# Altium PCB STM32H743.PcbDoc
Units mil, origin at the board's own origin, x right, y up, seen from the top; angles counter-clockwise.
Board outline 3765 x 2155 mil, 2 copper layers (Top Layer, Bottom Layer); 118 components, 172 nets, 554 pads, 16 vias.
Unrouted connection lines stored in the file: 150.
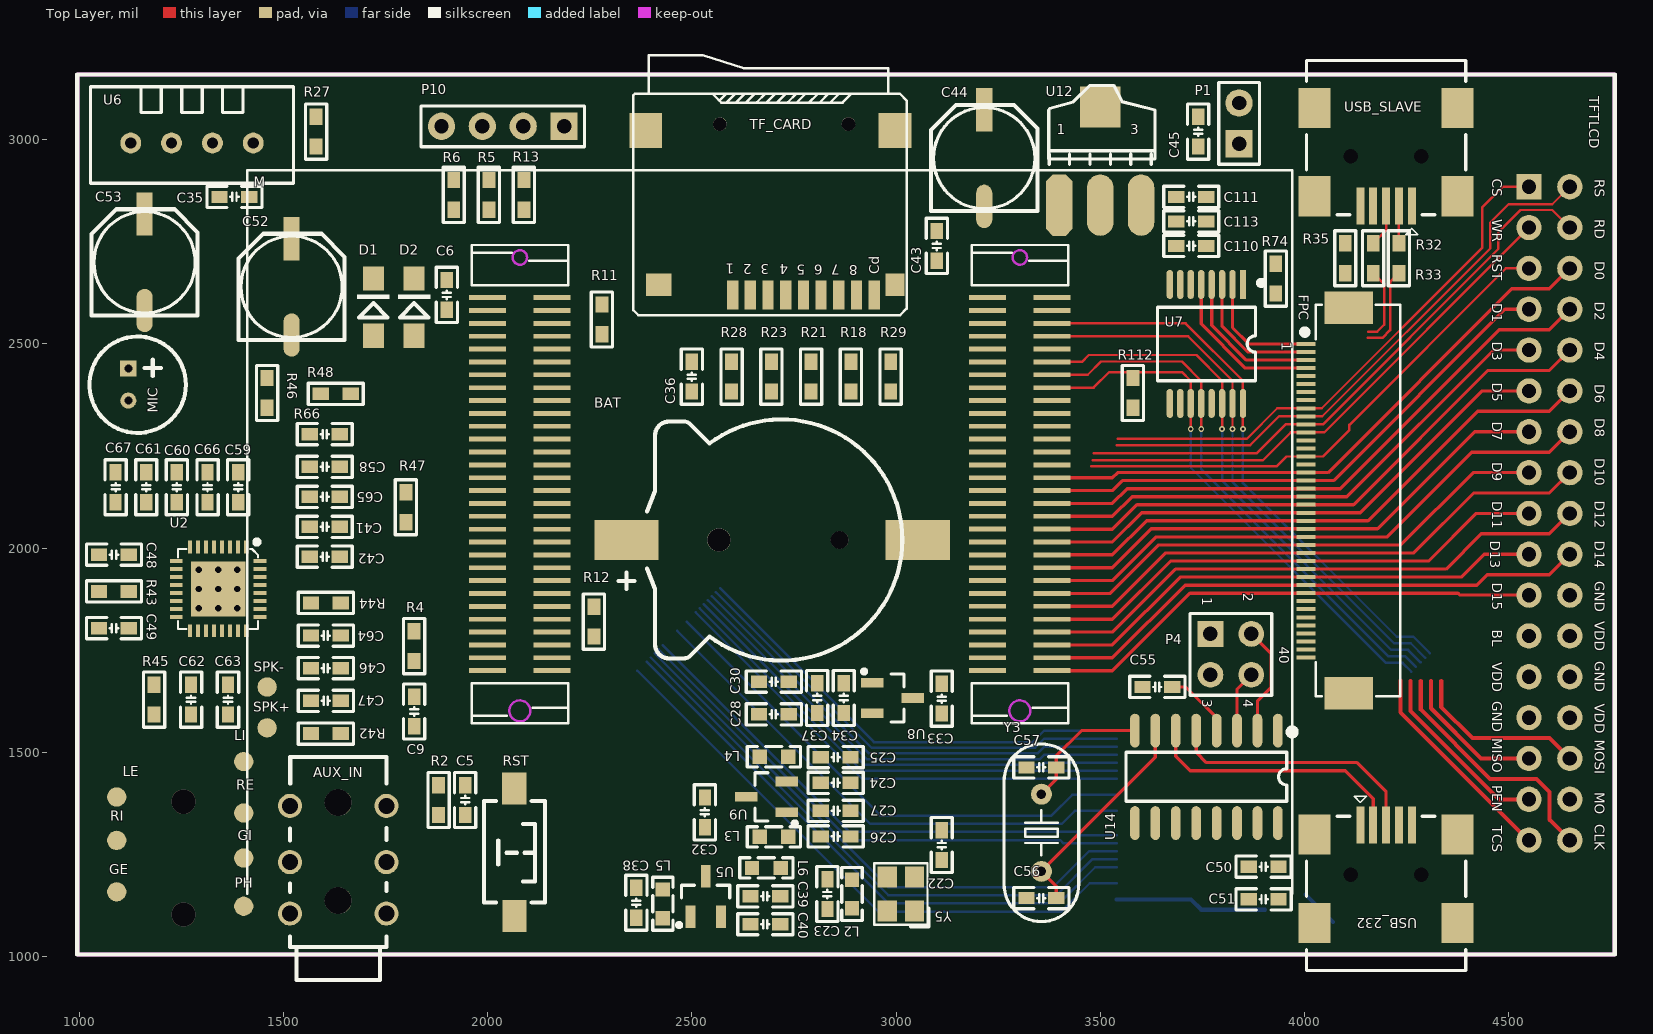
[diagram p0: Top Layer view]
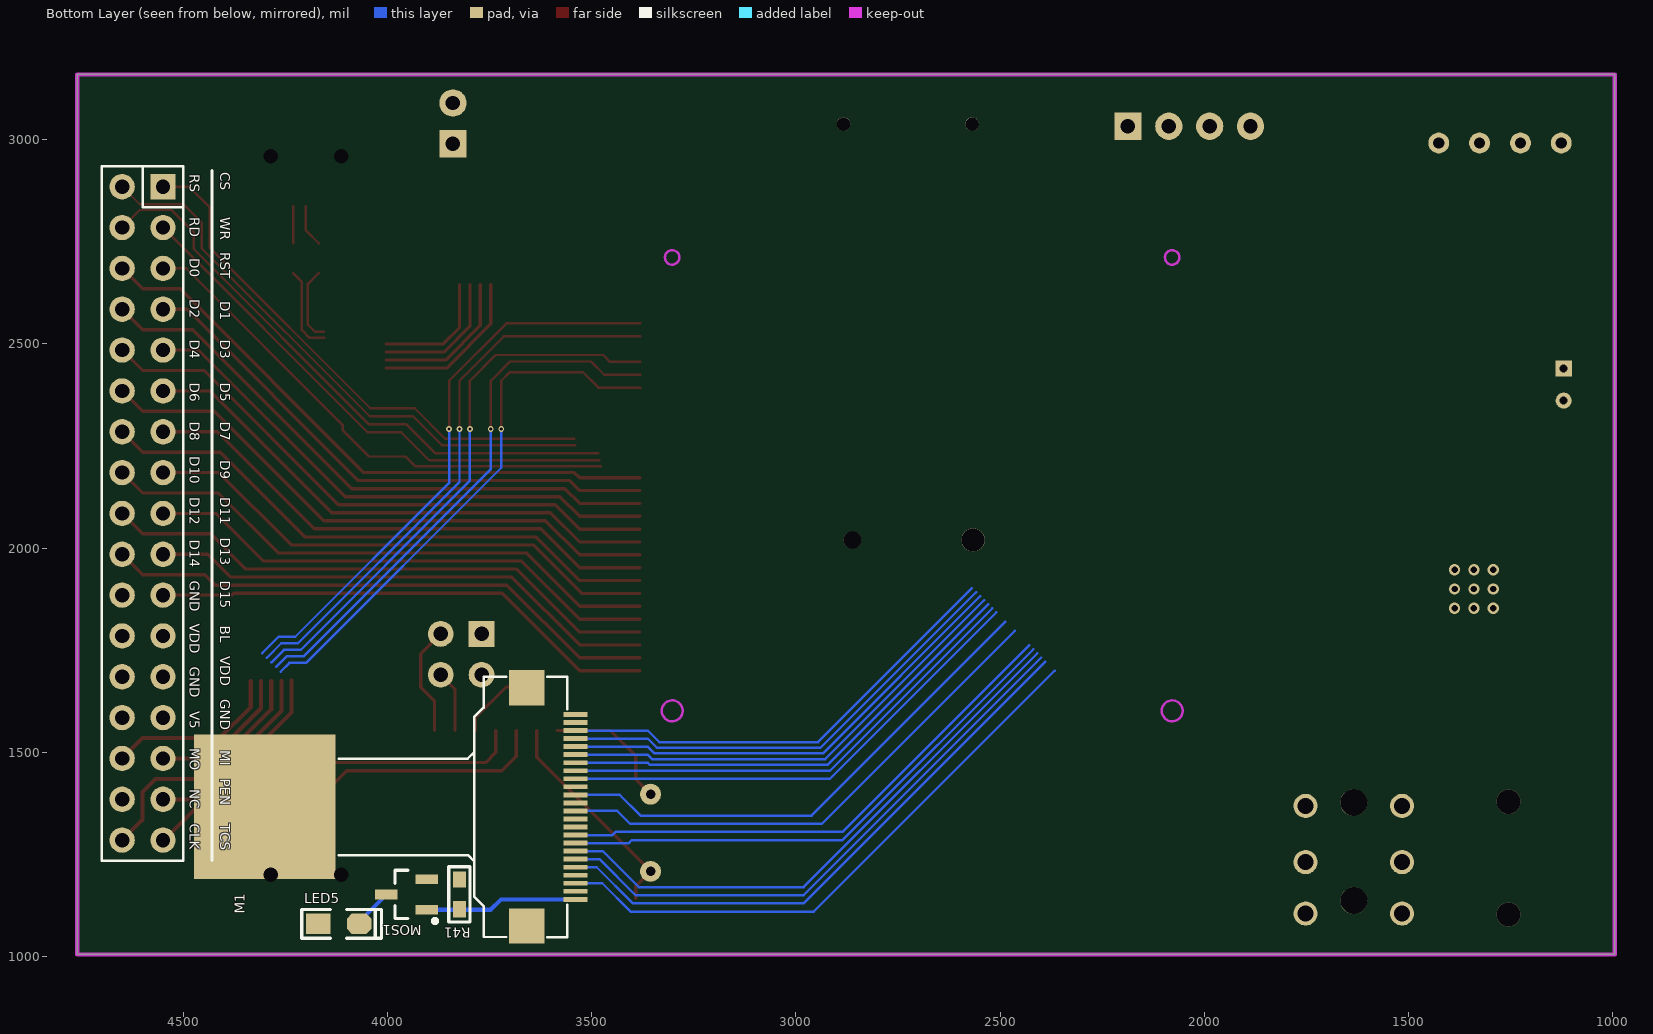
[diagram p1: Bottom Layer view, seen from below]

## Layer stack, top to bottom
Top Layer: signal copper 1.4
Dielectric: dielectric 12.6, FR-4, Dk 4.8
Bottom Layer: signal copper 1.4

## Board outline
995,1005 995,3160 4760,3160 4760,1005

## Design rules (kind name [scope] priority, off if disabled: settings)
Clearance [All] p1: gap=6
ComponentClearance [All] p1 off: gap=10 collisioncheckmode=3 verticalgap=10 showdistances=FALSE
MinimumSolderMaskSliver [All] p1: minsoldermaskwidth=8
PolygonConnect [All] p1: connectstyle=Relief reliefconductorwidth=10 reliefentries=4 polygonreliefangle="90 Angle"
RoutingVias [All] p1: holewidth=8 width=14 viastyle="Through Hole" minholewidth=8 minwidth=14 maxholewidth=280 maxwidth=320
SilkscreenOverComponentPads [All] p1 off: minsilkscreentomaskgap=6
SolderMaskExpansion [All] p1: expansion=4
TestPointUsage FabricationTestPointUsage [All] p1: valid=0 allowmultiple=FALSE
Testpoint FabricationTestpoint [(IsPad And (OnTopLayer Or OnBottomLayer))] p1: side=3 testpointundercomponent=TRUE minsize=40 maxsize=100 preferedsize=60 minholesize=0 maxholesize=40 preferedholesize=32 testpointgrid=1 style=297 order=0123456789
Width [All] p1: maxlimit=50 minlimit=6 preferedwidth=10 toplayer_prefwidth=6 bottomlayer_prefwidth=6 minimp=50.000000 maximp=50.000000 favimp=50.000000
21 further rules are at their usual default settings.

## Components (designator, comment, footprint, x,y, rotation, side; value= is the part's Value field where it differs from the comment)
AUX_IN "AUX" PHONE_ST 1634,1237 r270 top
BAT "BATT" CR1220_A 2720,2020 r180 top
C5 "104" "C 0603_M" 1945,1383.18 r90 top
C6 "104" "C 0603_M" 1900,2620 r270 top
C9 "104" "C 0603_M" 1820,1600 r90 top
C22 "1uF" "C 0603_M" 3112,1273 r90 top
C23 "104" "C 0603_M" 2832,1153 r270 top
C24 "10uF" "C 0603_M" 2852,1425.33 r180 top
C25 "104" "C 0603_M" 2852,1488 r180 top
C26 "10uF" "C 0603_M" 2852,1294 r180 top
C27 "104" "C 0603_M" 2852,1356.67 r180 top
C28 "104" "C 0603_M" 2701,1593 r180 top
C30 "10uF" "C 0603_M" 2701,1673 r180 top
C32 "1uF" "C 0603_M" 2532,1353 r90 top
C33 "1uF" "C 0603_M" 3112,1631.4 r270 top
C34 "10uF" "C 0603_M" 2872,1633 r270 top
C35 "104" "C 0603_M" 1380,2860 r0 top
C36 "104" "C 0603_M" 2500,2420 r270 top
C37 "104" "C 0603_M" 2807,1633 r270 top
C38 "1uF" "C 0603_M" 2364,1131.53 r90 top
C39 "10uF" "C 0603_M" 2680,1147.5 r0 top
C40 "104" "C 0603_M" 2680,1079 r0 top
C41 "104" "C 0603_M" 1601,2052.33 r0 top
C42 "10uF" "C 0603_M" 1601,1979 r0 top
C43 "104" "C 0603_M" 3100,2740 r270 top
C44 "220uF" "CT 6*6 - C" 3216,2955 r90 top
C45 "104" "C 0603_M" 3740,3020 r90 top
C46 "104" "C 0603_M" 1604,1706 r180 top
C47 "10uF" "C 0603_M" 1604,1626 r180 top
C48 "104" "C 0603_M" 1085,1984 r0 top
C49 "10uF" "C 0603_M" 1085,1804 r0 top
C50 "104" "C 0603_M" 3900,1220 r180 top
C51 "10uF" "C 0603_M" 3900,1140 r180 top
C52 "220uF" "CT 6*6 - C" 1520,2640 r90 top
C53 "220uF" "CT 6*6 - C" 1160,2700 r90 top
C55 "104" "C 0603_M" 3640,1660 r0 top
C56 "22" "C 0603_M" 3356,1143 r0 top
C57 "22" "C 0603_M" 3356,1463 r180 top
C58 "1uF" "C 0603_M" 1601,2199 r0 top
C59 "1uF" "C 0603_M" 1389,2149 r90 top
C60 "1uF" "C 0603_M" 1239,2149 r90 top
C61 "1uF" "C 0603_M" 1164,2149 r90 top
C62 "104" "C 0603_M" 1273.59,1629 r270 top
C63 "104" "C 0603_M" 1364.19,1629 r270 top
C64 "10uF" "C 0603_M" 1604,1786 r180 top
C65 "10uF" "C 0603_M" 1601,2125.67 r180 top
C66 "1uF" "C 0603_M" 1314,2149 r90 top
C67 "1uF" "C 0603_M" 1089,2149 r90 top
C110 "10uF" "C 0603_M" 3723,2740 r0 top
C111 "104" "C 0603_M" 3723,2860 r0 top
C113 "104" "C 0603_M" 3723,2800 r0 top
D1 "1N4148" DIODE_SOP 1720,2520 r90 top
D2 "1N4148" DIODE_SOP 1820,2520 r90 top
FPC "RGBLCD" FPC-TOP40 4000,2500 r270 top locked
GE "SPK" TP-1.5#1 1242.5,1197 r0 top
GI "SPK" TP-1.5#2 1402.66,1217 r0 top
L2 "3.3uH" "L 0603" 2892,1153 r90 top
L3 "3.3uH" "L 0603" 2701,1293 r180 top
L4 "3.3uH" "L 0603" 2701,1489 r180 top
L5 "3.3uH" "L 0603" 2429,1129.03 r270 top
L6 "FB-600R" "L 0603" 2682.5,1217 r0 top
LE "SPK" TP-1.5#3 1123.13,1437 r0 top
LED5 "LED" "LED 0805R" 4120,1080 r180 bottom
LI "SPK" TP-1.5#4 1359.35,1477 r0 top
M "STM32F4&F7_CB" STM32F4&F7_CB 2000,1700 r0 top locked
M1 "OV5640" OV5640-24 3540,1140 r90 bottom locked
MIC "MIC" MIC-6022 1120,2440 r270 top
MOS1 "SI2302" SOT23-3M 3904,1152 r90 bottom
P1 "SWITCH" HDR2.54-LI-2P 3840,3040 r90 top
P4 "USART1" HDR2.54-LI-2x2P 3820,1740 r270 top
P10 "Header 4" HDR2.54-LI-4P 2037,3033 r180 top
PH "SPK" TP-1.5#5 1457.31,1097 r0 top
R2 "10K" "R 0603_M" 1880,1383.18 r270 top
R4 "10R" "R 0603_M" 1820,1760 r90 top
R5 "10K" "R 0603_M" 2003,2865 r270 top
R6 "10K" "R 0603_M" 1917,2865 r270 top
R11 "10K" "R 0603_M" 2280,2560 r270 top
R12 "10K" "R 0603_M" 2260,1820 r270 top
R13 "10K" "R 0603_M" 2089,2865 r270 top
R18 "47K" "R 0603_M" 2889.6,2420 r270 top
R21 "47K" "R 0603_M" 2792.2,2420 r270 top
R23 "47K" "R 0603_M" 2694.8,2420 r270 top
R27 "4.7K" "R 0603_M" 1580,3020 r270 top
R28 "47K" "R 0603_M" 2597.4,2420 r270 top
R29 "47K" "R 0603_M" 2987,2420 r270 top
R32 "10R" "R 0603_M" 4168.5,2710 r270 top
R33 "10R" "R 0603_M" 4231.49,2710 r270 top
R35 "1.5K" "R 0603_M" 4100,2710 r270 top
R41 "10K" "R 0603_M" 3824,1152 r270 bottom
R42 "0R" "R 0603_M" 1604,1546 r180 top
R43 "10R" "R 0603_M" 1085,1894 r0 top
R44 "0R" "R 0603_M" 1604,1866 r180 top
R45 "10K" "R 0603_M" 1183,1629 r90 top
R46 "680R" "R 0603_M" 1460,2380 r90 top
R47 "47K" "R 0603_M" 1800,2100 r90 top
R48 "0R" "R 0603_M" 1628,2378 r180 top
R66 "221" "C 0603_M" 1601,2279 r0 top
R74 "10" "R 0603_M" 3930,2660 r90 top
R112 "100K" "R 0603_M" 3580,2380 r270 top
RE "SPK" TP-1.5#6 1402.66,1337 r0 top
RI "SPK" TP-1.5#7 1091.64,1337 r0 top
RST "KEY_M" "TSW SMD-3*6*2.5" 2066,1254 r270 top
SPK+ "SPK" TP-1.5#8 1460,1560 r180 top
SPK- "SPK" TP-1.5#8 1460,1660 r0 top
TF_CARD "SD-MICRO-TF" SD-MICRO-TF 2600,2620 r180 top
TFTLCD "TFT_LCD" DB2*17-3.5 4760,3160 r270 top locked
U2 "WM8978" qfn32 1340,1900 r270 top
U5 "XC6206P152MR" SOT23-3M 2534,1097 r0 top
U6 "DHT11&DS18B20" DHT11 1426,2992 r180 top
U7 "XPT2046" SSOP16_M 3760,2500 r270 top
U8 "XC6206P152MR" SOT23-3M 2942,1633 r270 top
U9 "XC6206P152MR" SOT23-3M 2732,1391 r90 top
U12 "AMS1117-3.3" AMS1117 3400,2840 r0 top
U14 "CH340G" SOP16_M 3760,1440 r270 top locked
USB_232 "USB" USB-MINI-A 4200,1200 r0 top locked
USB_SLAVE "USB" USB-MINI-A 4200,2960 r180 top
Y3 "12MHz" "OSC HC-49S" 3356,1303 r90 top
Y5 "24.000Mhz" "OSC 3225-4P" 3012,1153 r90 top

## Footprints (in the part's own frame and the unit in brackets; to place one, negate y for a bottom-side part, rotate by r counter-clockwise, add the part's x,y. Pads: shape width x height; smd on the part's side, far side on the other; paste and mask are expansions set on the pad)
AMS1117 [mil]
  oct 65x150 smd: 1(0.03,-0.06)
  oval 65x150 smd: 2(100.03,-0.06) 3(200.03,-0.06)
  rect 100x100 smd: 4(100.03,239.94)
  silkscreen extent -26,100 234,293
"C 0603_M" [mil] "无极性贴片电容"
  rect 40x30 smd: 1(-36.5,0) 2(36.5,0)
  silkscreen extent -68,-26 68,26, body extent -31,-16 31,16, height 32
CR1220_A [mm] "纽扣电池座"
  round 1.1 hole 1.1: 0(-3.6,0)
  round 1.45 hole 1.45: 0(3.9,0)
  rect 4x2.5 smd: 1(9.652,0) 2(-8.458,0)
  silkscreen extent -7.5,-7.5 10.16,7.5, body extent -9.42,-7.45 10.34,7.45, height 4.05
"CT 6*6 - C" [mm] "直径6mm，高6mm"
  rect 2.7x1 smd: 1(3,0)
  oval 2.7x1 smd: 2(-3,0)
  silkscreen extent -3.3,-3.3 3.3,3.3, body extent -3.5,-3.15 3.5,3.15, height 6
DB2*17-3.5 [mil]
  rect 62x62 hole 35: 1(275,-210)
  round 62 hole 35: 2(275,-110) 3(375,-210) 4(375,-110) 5(475,-210) 6(475,-110) 7(575,-210) 8(575,-110) 9(675,-210) 10(675,-110) 11(775,-210) 12(775,-110) 13(875,-210) 14(875,-110) 15(975,-210) 16(975,-110) 17(1075,-210) 18(1075,-110) 19(1175,-210) 20(1175,-110) 21(1275,-210) 22(1275,-110) 23(1375,-210) 24(1375,-110) 25(1475,-210) 26(1475,-110) 27(1575,-210) 28(1575,-110) 29(1675,-210) 30(1675,-110) 31(1775,-210) 32(1775,-110) 33(1875,-210) 34(1875,-110)
  silkscreen extent 0,-3765 2155,0
DHT11 [mm]
  round 1.3 hole 0.7: 1(0,0) 2(2.54,0) 3(5.08,0) 4(7.62,0)
  silkscreen extent -2.5,-3.5 10.12,2.5
DIODE_SOP [mm]
  rect 1.5x1.3 smd: 1(0,0) 2(3.556,0)
  silkscreen extent 1.14,-1.02 2.56,1.02
FPC-TOP40 [mm]
  rect 0.25x1.2 smd: 1(0,0.102) 2(0.5,0.102) 3(1,0.102) 4(1.5,0.102) 5(2,0.102) 6(2.5,0.102) 7(3,0.102) 8(3.5,0.102) 9(4,0.102) 10(4.5,0.102) 11(5,0.102) 12(5.5,0.102) 13(6,0.102) 14(6.5,0.102) 15(7,0.102) 16(7.5,0.102) 17(8,0.102) 18(8.5,0.102) 19(9,0.102) 20(9.5,0.102) 21(10,0.102) 22(10.5,0.102) 23(11,0.102) 24(11.5,0.102) 25(12,0.102) 26(12.5,0.102) 27(13,0.102) 28(13.5,0.102) 29(14,0.102) 30(14.5,0.102) 31(15,0.102) 32(15.5,0.102) 33(16,0.102) 34(16.5,0.102) 35(17,0.102) 36(17.5,0.102) 37(18,0.102) 38(18.5,0.102) 39(19,0.102) 40(19.5,0.102)
  rect 2x3 smd: A(-2.25,2.754) B(21.725,2.754)
  silkscreen extent -2.45,-0.15 21.92,5.97
HDR2.54-LI-2P [mm] "排针，2脚"
  rect 1.7x1.7 hole 0.9: 1(-1.27,0)
  round 1.7 hole 0.9: 2(1.27,0)
  silkscreen extent -2.54,-1.27 2.54,1.27, body extent -2.54,-1.27 2.54,1.27, height 8.5
HDR2.54-LI-2x2P [mm] "双排排针，2x2脚"
  rect 1.6x1.6 hole 0.9: 1(-1.27,-1.27)
  round 1.6 hole 0.9: 2(-1.27,1.27) 3(1.27,-1.27) 4(1.27,1.27)
  silkscreen extent -2.54,-2.54 2.54,2.54, body extent -2.54,-2.54 2.54,2.54, height 8.5
HDR2.54-LI-4P [mm] "排针，4脚"
  rect 1.7x1.7 hole 0.9: 1(-3.81,0)
  round 1.7 hole 0.9: 2(-1.27,0) 3(1.27,0) 4(3.81,0)
  silkscreen extent -5.08,-1.27 5.08,1.27, body extent -5.08,-1.27 5.08,1.27, height 8.5
"L 0603" [mil] "小功率贴片电感"
  rect 35x35 smd: 1(-35,0) 2(35,0)
  silkscreen extent -65,-25 65,25, body extent -31,-16 31,16, height 31
"LED 0805R" [mil] "红色0805LED"
  rect 60x50 smd: 1(-50,0)
  oct 60x50 smd: 2(50,0)
  silkscreen extent -90,-35 105,35, body extent -39,-25 39,25, height 32
MIC-6022 [mm]
  rect 1x1 hole 0.5: 1(0,0)
  round 1 hole 0.5: 2(2,0)
  silkscreen extent -1.99,-2.41 4.01,3.58
"OSC 3225-4P" [mm] "3.2*2.5*0.7mm(长宽高)"
  rect 1.3x1.2 smd: 1(-1.05,-0.85) 2(1.05,-0.85) 3(1.05,0.85) 4(-1.05,0.85)
  silkscreen extent -2.03,-1.75 1.91,1.65, body extent -1.6,-1.25 1.6,1.25, height 0.7
"OSC HC-49S" [mm]
  round 1.3 hole 0.6: 1(-2.4,0) 2(2.4,0)
  silkscreen extent -5.52,-2.32 5.52,2.33, body extent -5.53,-2.32 5.53,2.32, height 4.13
OV5640-24 [mm]
  rect 0.3x1.5 smd: 1(0,0) 2(0.5,0) 3(1,0) 4(1.5,0) 5(2,0) 6(2.5,0) 7(3,0) 8(3.5,0) 9(4,0) 10(4.5,0) 11(5,0) 12(5.5,0) 13(6,0) 14(6.5,0) 15(7,0) 16(7.5,0) 17(8,0) 18(8.5,0) 19(9,0) 20(9.5,0) 21(10,0) 22(10.5,0) 23(11,0) 24(11.5,0)
  rect 2.2x2.2 smd: 25(13.151,3.023) 26(-1.657,3.023)
  rect 9x8.8 smd: 27(5.753,19.317)
  silkscreen extent -2.36,0.51 13.85,14.73
PHONE_ST [mm]
  round 1.676 hole 1.676: 0(-3.556,0) 0(2.54,0)
  round 1.5 hole 1: 1(-3.35,3) 1(-3.35,-3) 2(0.15,3) 2(0.15,-3) 3(3.35,3) 3(3.35,-3)
  silkscreen extent -6.39,-3.01 7.49,3
qfn32 [mm]
  rect 0.8x0.25 smd: 1(-2.601,1.75) 2(-2.601,1.25) 3(-2.601,0.75) 4(-2.601,0.25) 5(-2.601,-0.25) 6(-2.601,-0.75) 7(-2.601,-1.25) 8(-2.601,-1.75) 17(2.601,-1.75) 18(2.601,-1.25) 19(2.601,-0.75) 20(2.601,-0.25) 21(2.601,0.25) 22(2.601,0.75) 23(2.601,1.25) 24(2.601,1.75)
  rect 0.25x0.8 smd: 9(-1.75,-2.601) 10(-1.25,-2.601) 11(-0.75,-2.601) 12(-0.25,-2.601) 13(0.25,-2.601) 14(0.75,-2.601) 15(1.25,-2.601) 16(1.75,-2.601) 25(1.75,2.601) 26(1.25,2.601) 27(0.75,2.601) 28(0.25,2.601) 29(-0.25,2.601) 30(-0.75,2.601) 31(-1.25,2.601) 32(-1.75,2.601)
  rect 3.4x3.4 smd: 33(0,0)
  silkscreen extent -3.06,-2.49 2.49,2.55
"R 0603_M" [mil] "1/10W贴片电阻"
  rect 40x31.5 smd: 1(-36.5,0) 2(36.5,0)
  silkscreen extent -68,-26 68,26, body extent -31,-16 31,16, height 16
SD-MICRO-TF [mm]
  rect 2.032x2.2 smd: 0(-10.1,-10.227) 0(5.4,-10.227)
  rect 1.2x1.4 smd: 0(-10.1,-0.627)
  round 0.85 hole 0.85 unplated: 0(-7.2,-10.627) 0(0.8,-10.627)
  rect 1.6x1.4 smd: 0(4.6,-0.627)
  rect 0.7x1.8 smd: 1(0,0) 2(-1.1,0) 3(-2.2,0) 4(-3.3,0) 5(-4.4,0) 6(-5.5,0) 7(-6.6,0) 8(-7.7,0) 9(-8.8,0)
  silkscreen extent -10.82,-14.91 6.17,1.25, body extent -10.37,-14.85 5.9,0.34, height 1.8
SOP16_M [mm] "10.3*6.2*1.8mm（长宽高）"
  oval 2.1x0.6 smd: 1(-2.875,4.445) 2(-2.875,3.175) 3(-2.875,1.905) 4(-2.875,0.635) 5(-2.875,-0.635) 6(-2.875,-1.905) 7(-2.875,-3.175) 8(-2.875,-4.445) 9(2.875,-4.445) 10(2.875,-3.175) 11(2.875,-1.905) 12(2.875,-0.635) 13(2.875,0.635) 14(2.875,1.905) 15(2.875,3.175) 16(2.875,4.445)
  silkscreen extent -2.95,-5 1.52,5.49, body extent -3,-5 3,5, height 1.9
SOT23-3M [mm] "3x1.3x1mm(长宽高)"
  rect 0.6x1.4 smd: 1(-0.95,0) 2(0.95,0) 3(0,2.514)
  silkscreen extent -1.78,-0.63 1.5,1.97, body extent -1.5,0.07 1.5,2.47, height 1.05
SSOP16_M [mm] "6.3*7.7*1.6mm（长宽高）"
  rect 1.8x0.4 smd: 1(-3.7,2.275)
  oval 1.8x0.4 smd: 2(-3.7,1.625) 3(-3.7,0.975) 4(-3.7,0.325) 5(-3.7,-0.325) 6(-3.7,-0.975) 7(-3.7,-1.625) 8(-3.7,-2.275) 9(3.7,-2.275) 10(3.7,-1.625) 11(3.7,-0.975) 12(3.7,-0.325) 13(3.7,0.325) 14(3.7,0.975) 15(3.7,1.625) 16(3.7,2.275)
  silkscreen extent -3.93,-3.05 2.29,3.53, body extent -3.85,-3.1 3.85,3.1, height 1.65
STM32F4&F7_CB [mm]
  rect 2.3x0.3 smd: J1_1(0,0) J1_2(0,0.8) J1_3(0,1.6) J1_4(0,2.4) J1_5(0,3.2) J1_6(0,4) J1_7(0,4.8) J1_8(0,5.6) J1_9(0,6.4) J1_10(0,7.2) J1_11(0,8) J1_12(0,8.8) J1_13(0,9.6) J1_14(0,10.4) J1_15(0,11.2) J1_16(0,12) J1_17(0,12.8) J1_18(0,13.6) J1_19(0,14.4) J1_20(0,15.2) J1_21(0,16) J1_22(0,16.8) J1_23(0,17.6) J1_24(0,18.4) J1_25(0,19.2) J1_26(0,20) J1_27(0,20.8) J1_28(0,21.6) J1_29(0,22.4) J1_30(0,23.2) J1_31(4,23.2) J1_32(4,22.4) J1_33(4,21.6) J1_34(4,20.8) J1_35(4,20) J1_36(4,19.2) J1_37(4,18.4) J1_38(4,17.6) J1_39(4,16.8) J1_40(4,16) J1_41(4,15.2) J1_42(4,14.4) J1_43(4,13.6) J1_44(4,12.8) J1_45(4,12) J1_46(4,11.2) J1_47(4,10.4) J1_48(4,9.6) J1_49(4,8.8) J1_50(4,8) J1_51(4,7.2) J1_52(4,6.4) J1_53(4,5.6) J1_54(4,4.8) J1_55(4,4) J1_56(4,3.2) J1_57(4,2.4) J1_58(4,1.6) J1_59(4,0.8) J1_60(4,0) J2_1(31.1,0.001) J2_2(31.1,0.801) J2_3(31.1,1.601) J2_4(31.1,2.401) J2_5(31.1,3.201) J2_6(31.1,4.001) J2_7(31.1,4.801) J2_8(31.1,5.601) J2_9(31.1,6.401) J2_10(31.1,7.201) J2_11(31.1,8.001) J2_12(31.1,8.801) J2_13(31.1,9.601) J2_14(31.1,10.401) J2_15(31.1,11.201) J2_16(31.1,12.001) J2_17(31.1,12.801) J2_18(31.1,13.601) J2_19(31.1,14.401) J2_20(31.1,15.201) J2_21(31.1,16.001) J2_22(31.1,16.801) J2_23(31.1,17.601) J2_24(31.1,18.401) J2_25(31.1,19.201) J2_26(31.1,20.001) J2_27(31.1,20.801) J2_28(31.1,21.601) J2_29(31.1,22.401) J2_30(31.1,23.201) J2_31(35.1,23.201) J2_32(35.1,22.401) J2_33(35.1,21.601) J2_34(35.1,20.801) J2_35(35.1,20.001) J2_36(35.1,19.201) J2_37(35.1,18.401) J2_38(35.1,17.601) J2_39(35.1,16.801) J2_40(35.1,16.001) J2_41(35.1,15.201) J2_42(35.1,14.401) J2_43(35.1,13.601) J2_44(35.1,12.801) J2_45(35.1,12.001) J2_46(35.1,11.201) J2_47(35.1,10.401) J2_48(35.1,9.601) J2_49(35.1,8.801) J2_50(35.1,8.001) J2_51(35.1,7.201) J2_52(35.1,6.401) J2_53(35.1,5.601) J2_54(35.1,4.801) J2_55(35.1,4.001) J2_56(35.1,3.201) J2_57(35.1,2.401) J2_58(35.1,1.601) J2_59(35.1,0.801) J2_60(35.1,0.001)
  Keep-Out Layer circle w0.152: c2,25.7 r0.45
  Keep-Out Layer circle w0.152: c2,-2.5 r0.65
  Keep-Out Layer circle w0.152: c33.1,-2.499 r0.65
  Keep-Out Layer circle w0.152: c33.1,25.701 r0.45
  silkscreen extent -14.95,-13.87 50.05,31.13
TP-1.5#1 [mm]
  round 1.2 smd: 1(-3.832,-0.98)
TP-1.5#2 [mm]
  round 1.2 smd: 1(0,0.612)
TP-1.5#3 [mm]
  round 1.2 smd: 1(-0.8,-1.176)
TP-1.5#4 [mm]
  round 1.2 smd: 1(1.1,0.008)
TP-1.5#5 [mm]
  round 1.2 smd: 1(-1.388,0.66)
TP-1.5#6 [mm]
  round 1.2 smd: 1(0,0.364)
TP-1.5#7 [mm]
  round 1.2 smd: 1(0,-1.336)
TP-1.5#8 [mm]
  round 1.2 smd: 1(0,0)
"TSW SMD-3*6*2.5" [mm] "3*6*2.5mm"
  rect 2x1.5 smd: 1(-3.996,-0.02) 2(3.937,0)
  silkscreen extent -3.21,-1.9 3.09,1.9, body extent -4,-1.88 4,1.62, height 2.59
USB-MINI-A [mm] "MINI型USB，7.9*7.5*4.1mm"
  rect 0.5x2.3 smd: 1(-1.6,3.108) 2(-0.8,3.108) 3(0,3.108) 4(0.8,3.108) 5(1.6,3.108)
  rect 2x2.5 smd: 5(-4.45,-3) 5(-4.45,2.5) 5(4.45,-3) 5(4.45,2.5)
  round 0.6 hole 0.9 unplated: MH1(2.2,0) MH2(-2.2,0)
  silkscreen extent -4.95,-5.95 4.95,4.89, body extent -4.75,-6 4.75,3.7, height 3.95

## Part data
AUX_IN: library part PHONE_M
BAT: library part BAT
C5 C6 C9 C22 C23 C24 C25 C26 C27 C28 C30 C32 C33 C34 C35 C36 C37 C38 C39 C40 C41 C42 C43 C45 C46 C47 C48 C49 C50 C51 C55 C56 C57 C58 C59 C60 C61 C62 C63 C64 C65 C66 C67 C110 C111 C113 R66: library part C
C44 C52 C53: library part CAP
D1 D2: library part D
FPC: library part FPC-40, "FPC-40P-0.5mm"
GE GI LE LI PH RE RI SPK+ SPK-: library part TEST-POINT, "测试点"
L2 L3 L4 L5 L6: library part L
M: "F429/746 Core Board"
M1: "OV5640模组,AF,FPC"
MOS1: library part MOS-N, "AP2306"
P1: library part "Header 2", "Header, 2-Pin"
P4: library part "Header 2X2", "Header, 2-Pin, Dual row"
P10: "Header, 4-Pin"
R2 R4 R5 R6 R11 R12 R13 R18 R21 R23 R27 R28 R29 R32 R33 R35 R41 R42 R43 R44 R45 R46 R47 R48 R74 R112: library part R
TF_CARD: "SD,MICRO,TF"
U2: "24bit ADC&DAC"
U5 U8 U9: library part XC6206, "LDO,SOT23,1.2~5.0V"
U6: library part DHT11, "数字温湿度传感器"
U7: library part ADS7843
U12: library part AMS1117
U14: "USB2UART"
USB_232 USB_SLAVE: library part USB5
Y3: library part XTAL, "Crystal Oscillator"
Y5: library part XTAL_S, "有源晶振"

## Via types
v1: diameter 27.56, hole 15.75, Top Layer to Bottom Layer, 9 vias
v2: diameter 14, hole 8, Top Layer to Bottom Layer, 5 vias
v3: diameter 59.06, hole 59.06, Top Layer to Bottom Layer, 2 vias

## Nets (pads, with @x,y where several pads share a name; then routed paths per layer and width w, separated by ;. In a path a pad name is that pad's centre, name@x,y a point inside that pad or via, vN(x,y) a via of type N, cw(c..) or ccw(c..) an arc to the next point about the centre after c; other vN are vias at no path point)
AF_AVDD: C26.2 C27.2 L3.1 M1.4
AF_DO_VDD: C24.2 C25.2 L4.1 M1.11
AF_VCC: C34.2 C37.2 M1.24 U8.2
AGND: AUX_IN.3 C41.2 C42.2 C64.1 C65.1 GI.1 R44.2 R47.1 R48.1 R66.1 U2.28
BOOT0: M.J1_31 R11.1
BOOT1: M.J1_55 R12.1
CH340_RXD: P4.4 U14.3 | length 151.3
  Top Layer w8: U14.3 3835,1655 P4.4
CH340_TXD: P4.2 U14.2 | length 271.2
  Top Layer w8: P4.2 3919,1741 3919,1659 3885,1625 U14.2
DHT11: R27.2 U6.2
FMC_A18: FPC.10 M.J2_14 TFTLCD.2 | length 1409.1
  Top Layer w6: 3540,2252 3867,2252 3937.83,2322.83 FPC.10 4043.83,2322.83 4455,2734 4455,2797 4500,2842 4607,2842 TFTLCD.2
FMC_D0: FPC.17 M.J2_45 TFTLCD.6 | length 1480.4
  Top Layer w8: M.J2_45 3530,2172.48 3542.56,2185.04 FPC.17 4058.04,2185.04 4508,2635 4600,2635 TFTLCD.6
FMC_D1: FPC.18 M.J2_46 TFTLCD.7 | length 1352
  Top Layer w8: M.J2_46 3530,2140.98 3554.37,2165.35 FPC.18 4071.35,2165.35 4491,2585 TFTLCD.7
FMC_D2: FPC.19 M.J2_47 TFTLCD.8 | length 1465.1
  Top Layer w8: M.J2_47 3530,2109.49 3566.18,2145.67 FPC.19 4087.67,2145.67 4477,2535 4600,2535 TFTLCD.8
FMC_D3: FPC.20 M.J2_48 TFTLCD.9 | length 1336.7
  Top Layer w8: M.J2_48 3530,2077.99 3577.99,2125.98 FPC.20 4103.98,2125.98 4463,2485 TFTLCD.9
FMC_D4: FPC.21 M.J2_49 TFTLCD.10 | length 1449.8
  Top Layer w8: M.J2_49 3530,2046.5 3589.8,2106.3 FPC.21 4120.3,2106.3 4449,2435 4600,2435 TFTLCD.10
FMC_D5: FPC.22 M.J2_50 TFTLCD.11 | length 1321.4
  Top Layer w8: M.J2_50 3530,2015 3601.61,2086.61 FPC.22 4136.61,2086.61 4435,2385 TFTLCD.11
FMC_D6: FPC.23 M.J2_51 TFTLCD.12 | length 1434.4
  Top Layer w8: M.J2_51 3530,1983.5 3613.42,2066.93 FPC.23 4155.93,2066.93 4424,2335 4600,2335 TFTLCD.12
FMC_D7: FPC.24 M.J2_52 TFTLCD.13 | length 1306.1
  Top Layer w8: M.J2_52 3530,1952.01 3625.24,2047.24 FPC.24 4179.24,2047.24 4417,2285 TFTLCD.13
FMC_D8: FPC.25 M.J2_53 TFTLCD.14 | length 1419.1
  Top Layer w8: M.J2_53 3530,1920.51 3637.05,2027.56 FPC.25 4202.56,2027.56 4410,2235 4600,2235 TFTLCD.14
FMC_D9: FPC.26 M.J2_54 TFTLCD.15 | length 1290.7
  Top Layer w8: M.J2_54 3524.49,1889.02 3643.35,2007.87 FPC.26 4235.87,2007.87 4413,2185 TFTLCD.15
FMC_D10: FPC.27 M.J2_55 TFTLCD.16 | length 1403.8
  Top Layer w8: M.J2_55 3530,1857.52 3660.67,1988.19 FPC.27 4268.19,1988.19 4415,2135 4600,2135 TFTLCD.16
FMC_D11: FPC.28 M.J2_56 TFTLCD.17 | length 1275.4
  Top Layer w8: M.J2_56 3530,1826.02 3672.48,1968.5 FPC.28 4304.5,1968.5 4421,2085 TFTLCD.17
FMC_D12: FPC.29 M.J2_57 TFTLCD.18 | length 1388.4
  Top Layer w8: M.J2_57 3530,1794.53 3684.29,1948.82 FPC.29 4346.82,1948.82 4433,2035 4600,2035 TFTLCD.18
FMC_D13: FPC.30 M.J2_58 TFTLCD.19 | length 1260.1
  Top Layer w8: M.J2_58 3530,1763.03 3696.1,1929.13 FPC.30 4384.13,1929.13 4440,1985 TFTLCD.19
FMC_D14: FPC.31 M.J2_59 TFTLCD.20 | length 1373.1
  Top Layer w8: M.J2_59 3530,1731.54 3707.91,1909.45 FPC.31 4422.45,1909.45 4448,1935 4600,1935 TFTLCD.20
FMC_D15: FPC.32 M.J2_60 TFTLCD.21 | length 1248.7
  Top Layer w8: M.J2_60 3530,1700.04 3719.72,1889.76 FPC.32 4376.24,1889.76 4381,1885 TFTLCD.21
FMC_NE1: FPC.9 M.J1_35 TFTLCD.1 | length 1320.6
  Top Layer w6: 3543,2268 3859,2268 3933.52,2342.52 FPC.9 4042.52,2342.52 4435,2735 4435,2834 4486,2885 TFTLCD.1
FMC_NOE: FPC.12 M.J2_26 TFTLCD.3 | length 1304.1
  Top Layer w6: 3482,2215 3898,2215 3966.46,2283.46 FPC.12 4048.46,2283.46 TFTLCD.3
FMC_NWE: FPC.11 M.J2_22 TFTLCD.4 | length 1454.7
  Top Layer w6: 3484,2232 3883,2232 3954.15,2303.15 FPC.11 4045.15,2303.15 4475,2733 4475,2774 4529,2828 4607,2828 TFTLCD.4
GND: BAT.2 C5.1 C6.1 C9.1 C22.2 C23.1 C24.1 C25.1 C26.1 C27.1 C28.1 C30.1 C32.1 C33.1 C34.1 C35.1 C36.2 C37.1 C38.1 C39.1 C40.1 C43.1 C44.2 C45.1 C46.1 C47.1 C48.1 C49.1 C50.2 C51.2 C55.1 C56.1 C57.2 C110.1 C111.1 C113.1 FPC.5 FPC.16 FPC.34 FPC.35 FPC.36 FPC.37 FPC.38 FPC.39 FPC.40 M1.2 M1.15 M1.23 M1.25 M1.26 M.J1_1 M.J1_30 M.J2_31 MOS1.2 P10.1 R11.2 R12.2 R13.2 R41.1 R44.1 R45.1 RST.2 TF_CARD.6 U2.12 U2.24 U2.33 U5.1 U6.3 U6.4 U7.6 U7.7 U7.8 U8.1 U9.1 U12.1 U14.1 USB_232.5 USB_SLAVE.5 Y5.2
  other v1: 1292.76,1852.76 1340,1852.76 1387.24,1852.76 1292.76,1900 1340,1900 1387.24,1900 1292.76,1947.24 1340,1947.24 1387.24,1947.24
IIC1_SCL: M.J1_8 U2.16
IIC1_SDA: M.J1_7 U2.17
JTCK: M.J1_42 P10.2 R13.1
JTDO: M1.3 M.J1_21 P10.3 R5.1 | length 1446.3
  Bottom Layer w6: 2366.73,1699.73 2956.45,1110 3405,1110 3474.37,1179.37 M1.3
JTMS: M.J1_43 P10.4 R6.1
LCD_RESET: FPC.15 M.J2_32 TFTLCD.5 | length 1280.5
  Top Layer w6: 3478,2200 3932,2200 3956.41,2224.41 FPC.15 4045.41,2224.41 4110,2289 4110,2302 4493,2685 TFTLCD.5
NetAUX_IN_1: AUX_IN.1 C63.2
NetAUX_IN_2: AUX_IN.2 C62.2
NetBAT_1: BAT.1 D2.1
NetC23_2: C23.2 L2.1 Y5.4
NetC38_2: C38.2 L5.2 U5.3
NetC45_2: C45.2 P1.1 U12.3
NetC46_2: C46.2 C47.2 R42.1 U2.26
NetC48_2: C48.2 C49.2 R43.2 U2.13 U2.14
NetC52_1: C52.1 U2.29
NetC52_2: C52.2 RE.1
NetC53_1: C53.1 U2.30
NetC53_2: C53.2 LE.1
NetC55_2: C55.2 U14.4 | length 171.4
  Top Layer w8: C55.2 3710,1660 3785,1585 U14.4
NetC56_2: C56.2 U14.7 Y3.1 | length 540.9
  Top Layer w8: C56.2 3392.5,1172.01 Y3.1 3635,1487.51 U14.7
NetC57_1: C57.1 U14.8 Y3.2 | length 327.2
  Top Layer w8: Y3.2 3392.5,1433.99 3392.5,1491.5 3454.19,1553.19 U14.8
NetC58_1: C58.1 U2.1
NetC58_2: C58.2 C60.2 MIC.1 R46.2 R47.2 R66.2
NetC59_1: C59.1 U2.2
NetC59_2: C59.2 C61.2 MIC.2 R48.2
NetC60_1: C60.1 U2.4
NetC61_1: C61.1 U2.5
NetC62_1: C62.1 U2.19
NetC63_1: C63.1 U2.20
NetC64_2: C64.2 U2.27
NetC65_2: C65.2 R46.1 U2.32
NetC66_1: C66.1 U2.3
NetC66_2: C66.2 C67.2 PH.1
NetC67_1: C67.1 U2.6
NetL6_1: L6.1 U5.2
NetLED5_2: LED5.2 MOS1.3 | length 94.8
  Bottom Layer w10: MOS1.3 LED5.2@4070,1084.98
NetR32_1: R32.1 R35.1 USB_SLAVE.3 | length 104.2
  Top Layer w6: R32.1 4200,2778 USB_SLAVE.3
NetR33_1: R33.1 USB_SLAVE.2 | length 91.1
  Top Layer w6: R33.1 USB_SLAVE.2
NetR45_2: R45.2 U2.18
NetSPK+_1: SPK+.1 U2.25
NetSPK-_1: SPK-.1 U2.23
NetU14_5: U14.5 USB_232.3 | length 639.6
  Top Layer w8: U14.5 3735,1500 3760,1475 4129,1475 4200,1404 USB_232.3
NetU14_6: U14.6 USB_232.2 | length 653.7
  Top Layer w8: U14.6 3685,1490 3720,1455 4100,1455 4168.51,1386.49 USB_232.2
OV_D0: M1.19 M.J2_16 | length 1166.5
  Bottom Layer w6: 2539.26,1872.26 2928.31,1483.21 3352.18,1483.21 3363.3,1494.33 M1.19
OV_D1: M1.21 M.J2_17 | length 1148
  Bottom Layer w6: 2559.06,1892.06 2939.91,1511.21 3340.58,1511.21 3363.07,1533.7 M1.21
OV_D2: M1.22 M.J2_18 R18.1 TF_CARD.7 | length 1138.8
  Bottom Layer w6: 2568.96,1901.96 2945.71,1525.21 3334.78,1525.21 3362.96,1553.39 M1.22
OV_D3: M1.20 M.J2_19 R29.1 TF_CARD.8 | length 1157.3
  Bottom Layer w6: 2549.16,1882.16 2934.11,1497.21 3346.38,1497.21 3363.19,1514.02 M1.20
OV_D4: M1.18 M.J1_39 R23.1 TF_CARD.2 | length 1175.7
  Bottom Layer w6: 2529.36,1862.36 2922.51,1469.21 3357.98,1469.21 3363.41,1474.65 M1.18
OV_D5: M1.16 M.J1_36 | length 1199.1
  Bottom Layer w6: 2509.56,1842.56 2916.85,1435.28 M1.16
OV_D6: M1.14 M.J1_26 | length 1270.9
  Bottom Layer w6: 2486.93,1819.93 2961.87,1345 3380.71,1345 3431.62,1395.91 M1.14
OV_D7: M1.12 M.J1_27 | length 1284.4
  Bottom Layer w6: 2464.31,1797.31 2936.61,1325 3405.97,1325 3437.5,1356.54 M1.12
OV_HREF: M1.9 M.J2_3 | length 1303.4
  Bottom Layer w6: 2428.95,1761.95 2885.9,1305 3441.87,1305 3449.39,1297.48 M1.9
OV_PCLK: M1.17 M.J1_47 | length 1185.2
  Bottom Layer w6: 2519.46,1852.46 2916.96,1454.96 M1.17
OV_PWDN: M1.8 M.J2_30 | length 1317.4
  Bottom Layer w6: 2419.05,1752.05 2886.1,1285 3402,1285 3409.2,1277.8 M1.8
OV_RESET: M1.6 M.J2_29 | length 1418.6
  Bottom Layer w6: 2399.25,1732.25 2981.51,1150 3393,1150 3481.43,1238.43 M1.6
OV_SCL: M1.5 M.J1_22 | length 1432.8
  Bottom Layer w6: 2389.35,1722.35 2981.71,1130 3399,1130 3487.74,1218.74 M1.5
OV_SCLK: M1.13 Y5.3
OV_STROBE: M1.1 MOS1.1 R41.2 | length 374.5
  Bottom Layer w10: M1.1 3722,1140 3747.4,1114.6 MOS1.1
OV_VSYNC: M1.7 M.J1_25 | length 1404.3
  Bottom Layer w6: 2409.15,1742.15 2981.31,1170 3385,1170 3473.11,1258.11 M1.7
PA0: M.J2_42
PA1: M.J1_3
PA2: M.J1_4
PA3: M.J1_44
PA4: M.J1_45
PA5: M.J1_46
PA7: M.J1_48
PA8: M.J2_20
PA9: M.J1_51 P4.3
PA10: M.J1_52 P4.1
PA11: M.J1_53 R33.2 | length 211.3
  Top Layer w6: 4155,2515 4191,2515 4210,2534 4210,2652.01 R33.2
PA12: M.J1_54 R32.2 | length 183.5
  Top Layer w6: 4156,2530 4178,2530 4195,2547 4195,2647 R32.2
PA15: M.J1_41
PB0: M.J1_56
PB1: M.J1_57
PB5: M.J1_23
PB6: M.J1_24
PB10: M.J2_2
PB11: M.J2_1
PB12: M.J2_4
PB13: M.J2_5
PB14: M.J2_6
PB15: M.J2_7
PC1: M.J1_9
PC4: M.J1_49
PC5: M.J1_50
PC10: M.J1_40 R28.1 TF_CARD.1
PC12: M.J1_38 TF_CARD.5
PC13: M.J1_28
PD2: M.J1_37 R21.1 TF_CARD.3
PD6: M.J2_27
PD11: M.J2_23
PD12: M.J2_21
PE0: M.J2_43
PE1: M.J2_44
PE2: M.J1_20 U2.11
PE3: M.J1_19 U2.9
PE4: M.J1_18 U2.7
PE5: M.J1_17 U2.8
PE6: M.J1_16 U2.10
PF6: M.J1_14
PF7: M.J1_13
PF8: M.J1_12
PF9: M.J1_11
PG3: M.J2_13
PG6: M.J2_15
PG10: M.J1_34
PG11: M.J2_35
PG12: M.J2_25
PG13: M.J1_33
PG14: M.J1_32
PH2: M.J1_5
PH3: M.J1_6
PH6: M.J2_8
PH7: M.J2_9
PH9: M.J2_10
PH10: M.J2_11
PH11: M.J2_12
PH12: M.J2_24
PH15: M.J2_28
PI0: M.J2_34 TFTLCD.33 U7.15 | length 1907.6
  Top Layer w6: M.J2_34 3715.04,2518.94 3823.98,2410 U7.15 v2(3823.98,2292)
  Top Layer w10: 4235,1676 4235,1598.06 4548.06,1285 TFTLCD.33
  Bottom Layer w6: v2(3823.98,2292) 3823.98,2162.4 4219.37,1767 4260.37,1767 4295.69,1731.69
PI1: M.J2_33 TFTLCD.34 U7.16 | length 2014
  Top Layer w6: M.J2_33 3709.13,2550.43 3849.57,2410 U7.16 v2(3849.57,2292)
  Top Layer w10: 4285,1675 4285,1604.63 4454.63,1435 4568,1435 4600,1403 4600,1335 TFTLCD.34
  Bottom Layer w6: v2(3849.57,2292) 3849.57,2159.43 4226,1783 4267,1783 4307,1743
PI3: M.J2_41
PI4: M.J2_36 TFTLCD.30 U7.14 | length 1795.7
  Top Layer w6: M.J2_36 3454.94,2455.94 3472,2473 3735.39,2473 3798.39,2410 U7.14 v2(3798.39,2292)
  Top Layer w10: 4335,1675 4335,1611.2 4411.2,1535 4600,1535 TFTLCD.30
  Bottom Layer w6: v2(3798.39,2292) 3798.39,2165.36 4212.75,1751 4253.75,1751 4284.37,1720.37
PI5: M.J2_37 TFTLCD.29 U7.12 | length 1699.1
  Top Layer w6: M.J2_37 3469.45,2424.45 3502,2457 3700.2,2457 3747.2,2410 U7.12 v2(3747.2,2292)
  Top Layer w10: 4310,1675 4310,1607.91 4432.91,1485 TFTLCD.29
  Bottom Layer w6: v2(3747.2,2292) 3747.2,2193.91 4206.12,1735 4247.12,1735 4273.06,1709.06
PI6: M.J2_38 R112.1 TFTLCD.31 U7.11 | length 1777.5
  Top Layer w6: M.J2_38 3483.95,2392.95 3522,2431 3700.61,2431 3721.61,2410 U7.11 v2(3721.61,2292)
  Top Layer w10: 4260,1675 4260,1601.34 4476.34,1385 TFTLCD.31
  Bottom Layer w6: v2(3721.61,2292) 3721.61,2196.88 4199.49,1719 4240.49,1719 4261.75,1697.75
PI7: M.J2_39
PI8: M.J2_40
PI11: M.J1_15
RESET: C5.2 M.J1_10 R2.1 RST.1
T_BUSY: U7.13
T_VDD: C110.2 C111.2 C113.2 R74.1 R112.2 U7.1 U7.9 U7.10
VBAT: C6.2 D1.2 D2.2 M.J1_29
VCC1.5: C22.1 C39.2 C40.2 L6.2 M1.10
VCC2.8: C28.2 C30.2 L3.2 L4.2 L5.1 U9.2
VCC3.3: C32.2 C33.2 C35.2 C36.1 C41.1 C42.1 C43.2 C44.1 FPC.6 FPC.7 FPC.33 L2.2 LED5.1 R4.2 R5.2 R6.2 R18.2 R21.2 R23.2 R27.1 R28.2 R29.2 R35.2 R43.1 R74.2 TF_CARD.4 U2.31 U6.1 U8.3 U9.3 U12.2 U12.4
VCC3.3M: D1.1 R2.2
VCC5: C50.1 C51.1 M.J1_58 M.J1_59 M.J1_60 P1.2 R42.2 U14.16 USB_232.1 USB_SLAVE.1
VREF+: C9.2 M.J1_2 R4.1
X+: FPC.1 U7.2 | length 302.2
  Top Layer w8: U7.2 3823.98,2540.02 3864,2500 FPC.1
X-: FPC.3 U7.4 | length 366.3
  Top Layer w8: U7.4 3772.8,2545.95 3858.12,2460.63 FPC.3
Y+: FPC.2 U7.3 | length 334.3
  Top Layer w8: U7.3 3798.39,2542.99 3861.06,2480.31 FPC.2
Y-: FPC.4 U7.5 | length 398.3
  Top Layer w8: U7.5 3747.2,2548.91 3855.17,2440.94 FPC.4
pads on no net: AUX_IN.0 BAT.0 FPC.8 FPC.13 FPC.14 FPC.A FPC.B GE.1 LI.1 M1.27 RI.1 TF_CARD.0 TF_CARD.9 TFTLCD.22 TFTLCD.23 TFTLCD.24 TFTLCD.25 TFTLCD.26 TFTLCD.27 TFTLCD.28 TFTLCD.32 U2.15 U2.21 U2.22 U14.9 U14.10 U14.11 U14.12 U14.13 U14.14 U14.15 USB_232.4 USB_232.MH1 USB_232.MH2 USB_SLAVE.4 USB_SLAVE.MH1 USB_SLAVE.MH2 Y5.1
copper on no net:
  other v3: 1255.06,1103.3 1255.06,1378.89

## Keep-outs
Keep-Out Layer:
  the board outline again, w10

## Text inside footprints (layer, text, board x,y; h text height)
FPC: Top Overlay "1" at 3945,2504 h24 r270; Top Overlay "40" at 3939,1758 h24 r270
P4: Top Overlay "3" at 3750,1630 h24 r270; Top Overlay "4" at 3850,1630 h24 r270; Top Overlay "2" at 3850,1890 h24 r270; Top Overlay "1" at 3750,1880 h24 r270
TF_CARD: Top Overlay "Cd" at 2959,2671 h24 r90; Top Overlay "8" at 2906,2693 h24 r180; Top Overlay "7" at 2862,2694 h24 r180; Top Overlay "6" at 2820,2694 h24 r180; Top Overlay "5" at 2778,2694 h24 r180; Top Overlay "4" at 2736,2695 h24 r180; Top Overlay "3" at 2689,2695 h24 r180; Top Overlay "2" at 2647,2695 h24 r180; Top Overlay "1" at 2604,2696 h24 r180
TFTLCD: Top Overlay "D14" at 4711.42,2017.87 h24 r270; Top Overlay "D7" at 4460,2310 h24 r270; Top Overlay "RS" at 4711.42,2903.7 h24 r270; Top Overlay "CS" at 4460,2905 h24 r270; Top Overlay "WR" at 4460,2805 h24 r270; Top Overlay "RST" at 4460,2720 h24 r270; Top Overlay "D1" at 4460,2600 h24 r270; Top Overlay "D2" at 4711.42,2603.5 h24 r270; Top Overlay "D3" at 4460,2505 h24 r270; Top Overlay "D4" at 4711.42,2505.08 h24 r270; Top Overlay "D5" at 4460,2405 h24 r270; Top Overlay "D6" at 4711.42,2401.73 h24 r270; Top Overlay "D8" at 4711.42,2318.07 h24 r270; Top Overlay "D9" at 4460,2210 h24 r270; Top Overlay "D13" at 4455.51,2017.87 h24 r270; Top Overlay "D12" at 4711.42,2116.3 h24 r270; Top Overlay "D15" at 4460,1915 h24 r270; Top Overlay "VDD" at 4460,1720 h24 r270; Top Overlay "VDD" at 4711.42,1619.25 h24 r270; Top Overlay "GND" at 4711.42,1722.6 h24 r270; Top Overlay "VDD" at 4711.42,1821.02 h24 r270; Top Overlay "D10" at 4711.42,2219.65 h24 r270; Top Overlay "D0" at 4711.42,2701.93 h24 r270; Top Overlay "RD" at 4711.42,2805.28 h24 r270; Top Overlay "GND" at 4711.42,1919.45 h24 r270; Top Overlay "GND" at 4460,1625 h24 r270; Top Overlay "D11" at 4460,2115 h24 r270; Top Overlay "PEN" at 4460,1420 h24 r270; Top Overlay "CLK" at 4711.42,1323.98 h24 r270; Top Overlay "MOSI" at 4711.42,1530.67 h24 r270; Top Overlay "MO" at 4711.42,1402.72 h24 r270; Top Overlay "TCS" at 4460,1320 h24 r270; Top Overlay "MISO" at 4460,1535 h24 r270; Top Overlay "BL" at 4460,1800 h24 r270; Bottom Overlay "CS" at 4410,2920 h24 r90; Bottom Overlay "RS" at 4485,2915 h24 r90; Bottom Overlay "RD" at 4485,2810 h24 r90; Bottom Overlay "WR" at 4410,2810 h24 r90; Bottom Overlay "D0" at 4485,2710 h24 r90; Bottom Overlay "RST" at 4410,2725 h24 r90; Bottom Overlay "D1" at 4410,2605 h24 r90; Bottom Overlay "D2" at 4485,2610 h24 r90; Bottom Overlay "D3" at 4410,2510 h24 r90; Bottom Overlay "D4" at 4485,2510 h24 r90; Bottom Overlay "D5" at 4410,2405 h24 r90; Bottom Overlay "D6" at 4485,2405 h24 r90; Bottom Overlay "D7" at 4410,2310 h24 r90; Bottom Overlay "D8" at 4485,2310 h24 r90; Bottom Overlay "D9" at 4410,2215 h24 r90; Bottom Overlay "D10" at 4485,2225 h24 r90; Bottom Overlay "D11" at 4410,2125 h24 r90; Bottom Overlay "D12" at 4485,2125 h24 r90; Bottom Overlay "D13" at 4410,2025 h24 r90; Bottom Overlay "D14" at 4485,2020 h24 r90; Bottom Overlay "D15" at 4410,1920 h24 r90; Bottom Overlay "GND" at 4485,1920 h24 r90; Bottom Overlay "BL" at 4410,1810 h24 r90; Bottom Overlay "VDD" at 4485,1815 h24 r90; Bottom Overlay "VDD" at 4410,1735 h24 r90; Bottom Overlay "GND" at 4485,1710 h24 r90; Bottom Overlay "GND" at 4410,1630 h24 r90; Bottom Overlay "V5" at 4485,1600 h24 r90; Bottom Overlay "MI" at 4410,1505 h24 r90; Bottom Overlay "MO" at 4485,1510 h24 r90; Bottom Overlay "PEN" at 4410,1435 h24 r90; Bottom Overlay "NC" at 4485,1410 h24 r90; Bottom Overlay "TCS" at 4410,1325 h24 r90; Bottom Overlay "CLK" at 4485,1325 h24 r90
U12: Top Overlay "3" at 3574.03,3012.94 h24; Top Overlay "1" at 3394.03,3012.94 h24